# KiCad board V1.2.kicad_pcb (continued)
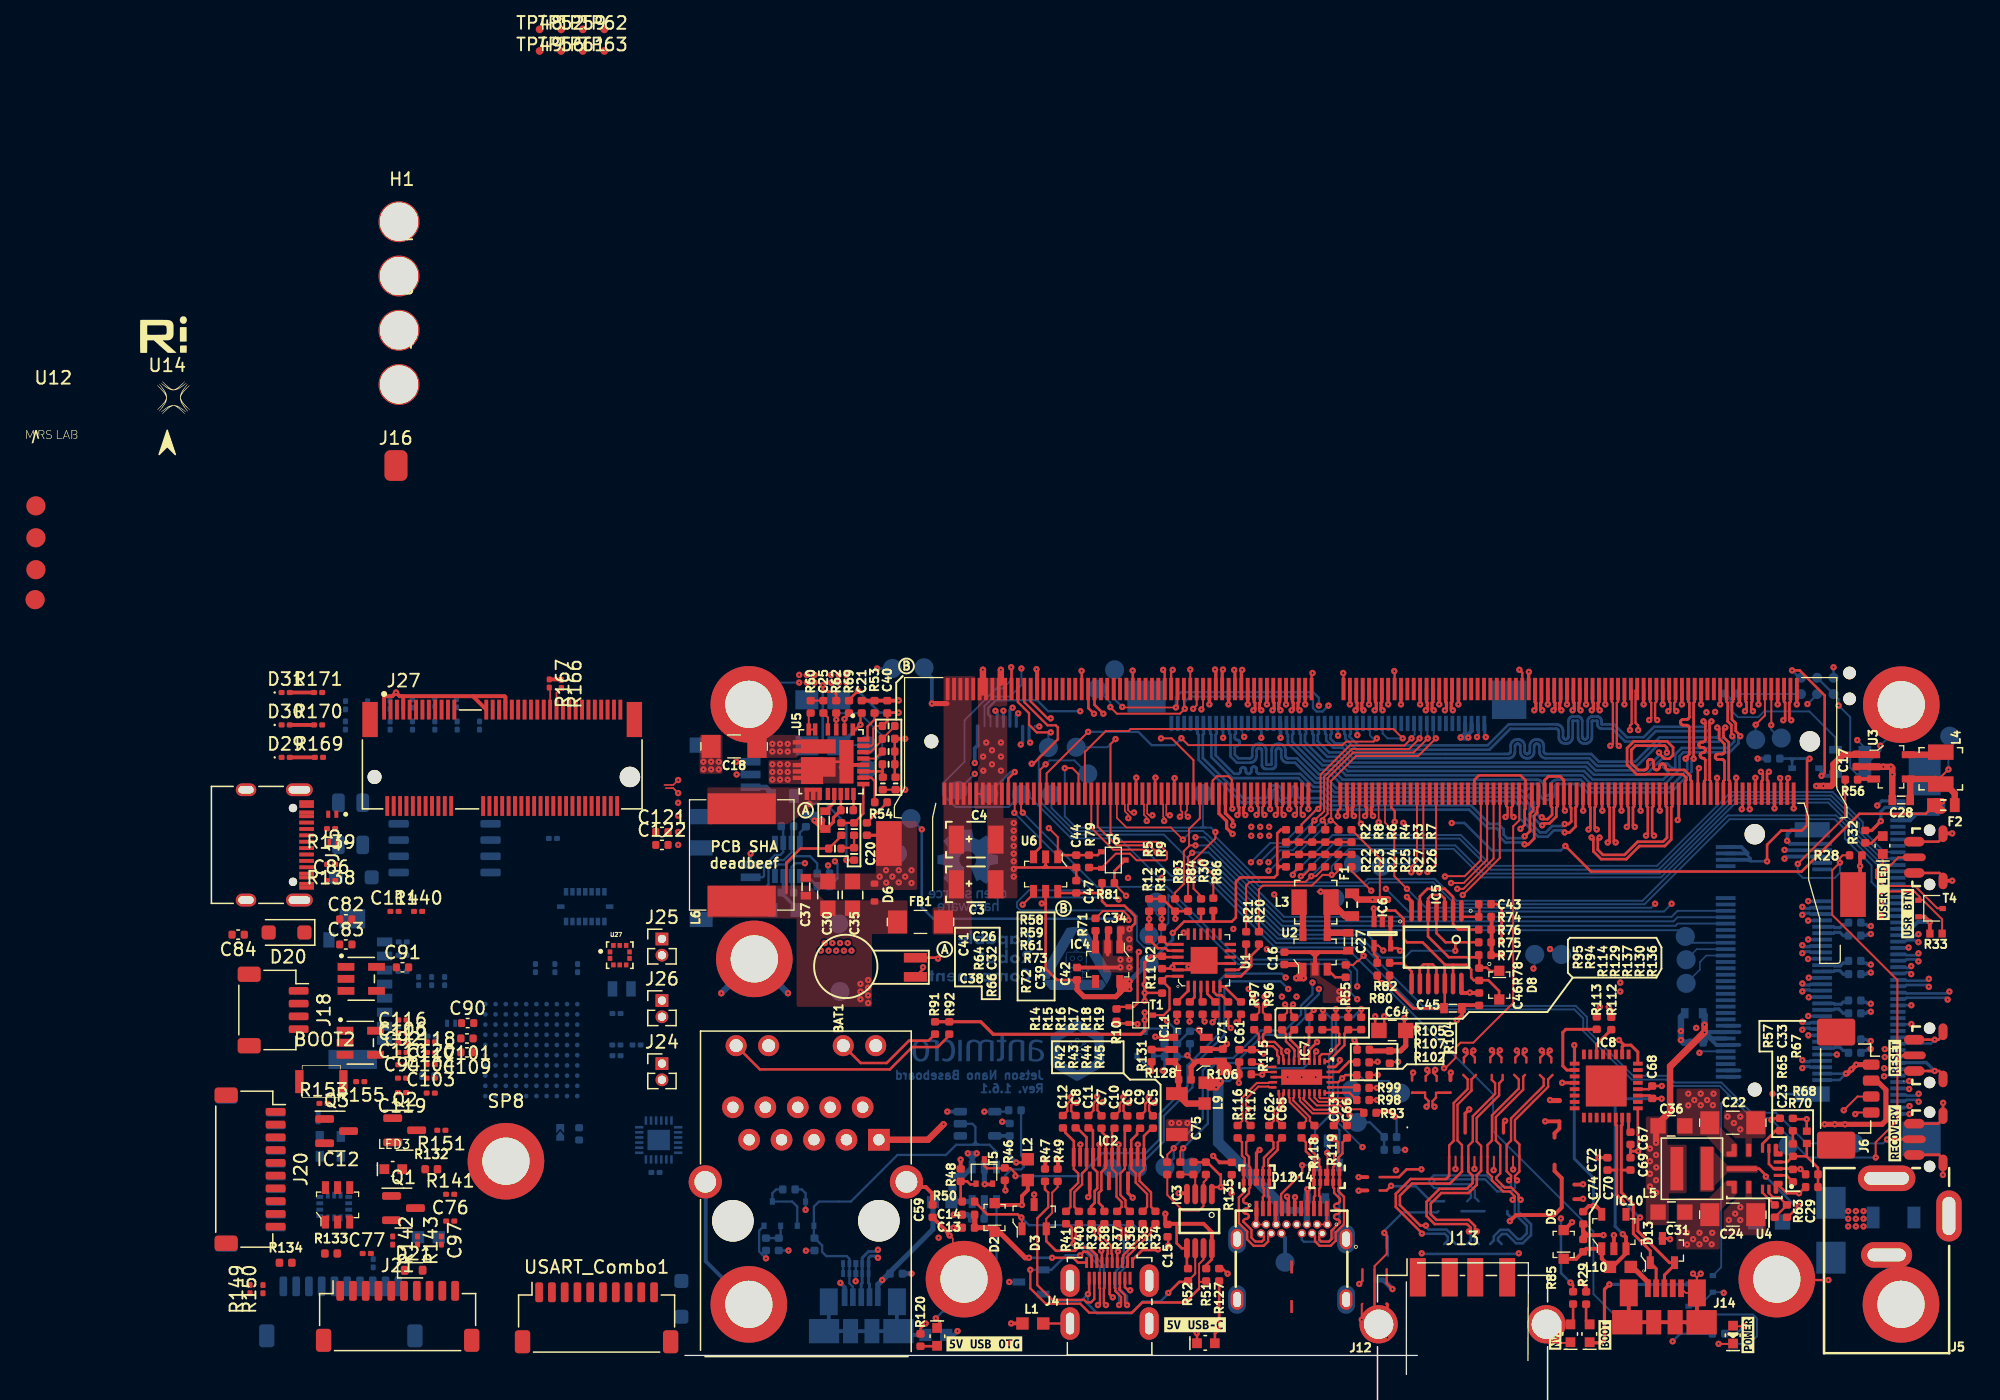
[diagram p0: board, top side]
## Routing (per net, layer and track width the routed paths; a pad name or vN(x,y) marks a point on that pad's centre or on a via; arc(x,y) is an arc through that point) (continued)
/Display/TMDS_D0_P: length 70.7
  Top w0.18: v1(32.71,21.33) 32.49,21.33 32.29,21.13 32.29,20.68 32.64,20.33
  Top w0.25: v1(68.01,52.03) 68.13,52.15 68.13,52.61 68.07,52.68 68.07,53.69
  In3_SIGNAL.Cu w0.18: v1(68.01,52.03) 68.17,51.87 68.17,50.79 65.28,47.9 34.84,47.9 31.49,44.54 31.49,35.96 30.49,34.96 30.49,28.1 30.49,28.07 30.48,28.04 30.46,28.01 30.44,27.99 30.41,27.97 30.38,27.96 30.35,27.96 30.17,27.96 30.08,27.94 29.99,27.91 29.91,27.86 29.84,27.8 29.79,27.72 29.76,27.63 29.75,27.53 29.75,27.41 29.76,27.31 29.79,27.22 29.84,27.14 29.91,27.08 29.99,27.03 30.08,27 30.17,26.99 30.35,26.99 30.38,26.98 30.41,26.97 30.44,26.95 30.46,26.93 30.48,26.9 30.49,26.88 30.49,26.84 30.49,26.8 30.49,26.77 30.48,26.74 30.46,26.71 30.44,26.69 30.41,26.67 30.38,26.66 30.35,26.66 30.17,26.66 30.08,26.64 29.99,26.61 29.91,26.56 29.84,26.5 29.79,26.42 29.76,26.33 29.75,26.23 29.75,26.11 29.76,26.01 29.79,25.92 29.84,25.84 29.91,25.78 29.99,25.73 30.08,25.7 30.17,25.69 30.35,25.69 30.38,25.68 30.41,25.67 30.44,25.65 30.46,25.63 30.48,25.6 30.49,25.58 30.49,25.54 30.49,23.12 31.81,21.8 31.81,21.54 32.05,21.3 32.49,21.3 32.52,21.33 v1(32.71,21.33)
/Display/TMDS_D1_C_N: length 9.4
  Top w0.18: R37.2 34.19,11.46 34.19,10.91 v1(34.03,10.75) ; J4.8 33.65,6.79 33.7,6.74 33.7,6.53 34.15,6.07 34.15,5.6 v1(33.99,5.44)
  Bottom w0.18: v1(33.99,5.44) 33.99,6.34 33.76,6.57 33.76,8.12 34.37,8.73 34.37,10.41 v1(34.03,10.75)
/Display/TMDS_D1_C_P: length 9.4
  Top w0.18: v1(34.67,10.76) 34.5,10.93 34.5,11.46 R36.2 ; J4.6 34.05,6.79 34,6.74 34,6.65 34.46,6.2 34.46,5.6 v1(34.62,5.44)
  Bottom w0.18: v1(34.62,5.44) 34.62,6.15 34.06,6.7 34.06,7.99 34.67,8.6 34.67,10.76 v1(34.67,10.76)
/Display/TMDS_D1_N: length 70.7
  Top w0.18: 33.69,20.28 34.04,20.63 34.04,21.21 34.32,21.49 v1(34.32,21.72)
  Top w0.25: v1(70.13,52.03) 70.01,52.15 70.01,52.61 70.07,52.68 70.07,53.69
  In3_SIGNAL.Cu w0.18: v1(70.13,52.03) 69.97,51.87 69.97,50.11 66.75,46.89 39.75,46.89 38.81,45.95 34.71,45.95 32.69,43.93 32.69,35.13 32.09,34.53 32.09,31.71 32.1,31.68 32.11,31.65 32.13,31.62 32.15,31.6 32.18,31.58 32.21,31.57 32.24,31.57 32.42,31.57 32.52,31.56 32.61,31.52 32.69,31.47 32.75,31.41 32.8,31.32 32.84,31.23 32.85,31.14 32.85,31.02 32.84,30.93 32.8,30.84 32.75,30.76 32.69,30.69 32.61,30.64 32.52,30.61 32.42,30.6 32.24,30.6 32.21,30.59 32.18,30.58 32.15,30.56 32.13,30.54 32.11,30.51 32.1,30.48 32.09,30.45 32.09,23.49 33.11,22.48 33.14,22.45 33.18,22.44 33.21,22.43 33.25,22.43 33.29,22.44 33.33,22.45 33.36,22.48 33.49,22.6 33.52,22.63 33.55,22.65 33.59,22.66 33.63,22.66 33.67,22.65 33.71,22.63 33.74,22.6 33.77,22.57 33.78,22.54 33.79,22.5 33.79,22.46 33.78,22.42 33.77,22.38 33.74,22.35 33.62,22.23 33.59,22.19 33.57,22.16 33.57,22.12 33.57,22.08 33.57,22.04 33.59,22 33.62,21.97 33.89,21.7 34.3,21.7 v1(34.32,21.72)
/Display/TMDS_D1_P: length 70.7
  Top w0.18: 34.69,20.28 34.34,20.63 34.34,21.08 34.54,21.28 v1(34.76,21.28)
  Top w0.25: v1(69.51,52.03) 69.63,52.15 69.63,52.61 69.57,52.68 M1.71
  In3_SIGNAL.Cu w0.18: v1(34.76,21.28) 34.73,21.25 33.91,21.25 31.79,23.37 31.79,30.47 31.8,30.57 31.83,30.66 31.88,30.74 31.95,30.81 32.03,30.86 32.12,30.89 32.22,30.9 32.39,30.9 32.43,30.9 32.46,30.92 32.49,30.93 32.51,30.96 32.53,30.98 32.54,31.02 32.54,31.05 32.54,31.11 32.54,31.15 32.53,31.18 32.51,31.21 32.49,31.23 32.46,31.25 32.43,31.26 32.39,31.26 32.22,31.26 32.12,31.27 32.03,31.3 31.95,31.35 31.88,31.42 31.83,31.5 31.8,31.59 31.79,31.69 31.79,34.66 32.39,35.26 32.39,44.06 34.58,46.25 38.68,46.25 39.63,47.2 66.63,47.2 69.67,50.24 69.67,51.87 v1(69.51,52.03)
/Display/TMDS_D2_C_N: length 4
  Top w0.18: J4.5 34.25,9.07 34.3,9.12 34.3,9.33 36.19,11.22 36.19,11.46 R35.2
/Display/TMDS_D2_C_P: length 4
  Top w0.18: J4.3 34.65,9.07 34.6,9.12 34.6,9.2 36.49,11.09 36.49,11.46 R34.2
/Display/TMDS_D2_N: length 70.8
  Top w0.18: v1(36.32,21.72) 36.32,21.49 36.04,21.21 36.04,20.63 35.69,20.28
  Top w0.25: v1(71.63,52.03) 71.51,52.15 71.51,52.61 71.57,52.68 71.57,53.69
  In3_SIGNAL.Cu w0.18: v1(36.32,21.72) 36.18,21.58 36.07,21.58 35.65,22 35.62,22.04 35.61,22.07 35.6,22.11 35.6,22.15 35.61,22.19 35.62,22.23 35.65,22.26 35.74,22.35 35.76,22.38 35.78,22.41 35.79,22.45 35.79,22.49 35.78,22.53 35.76,22.57 35.74,22.6 35.71,22.63 35.67,22.64 35.63,22.65 35.59,22.65 35.55,22.64 35.51,22.63 35.48,22.6 35.39,22.51 35.36,22.49 35.33,22.47 35.29,22.46 35.25,22.46 35.21,22.47 35.17,22.49 35.14,22.51 33.49,24.16 33.49,26.44 33.5,26.46 33.5,26.48 33.51,26.5 33.53,26.52 33.55,26.53 33.57,26.54 33.59,26.54 33.76,26.54 33.85,26.55 33.93,26.57 34,26.62 34.06,26.68 34.1,26.75 34.13,26.83 34.14,26.91 34.14,27.13 34.13,27.22 34.1,27.29 34.06,27.37 34,27.43 33.93,27.47 33.85,27.5 33.76,27.51 33.59,27.51 33.57,27.51 33.55,27.52 33.53,27.53 33.51,27.54 33.5,27.56 33.5,27.58 33.49,27.6 33.49,43.23 35.1,44.84 38.8,44.84 40.1,46.14 67.45,46.14 71.47,50.16 71.47,51.87 v1(71.63,52.03)
/Display/TMDS_D2_P: length 70.8
  Top w0.18: 36.69,20.28 36.34,20.63 36.34,21.08 36.54,21.28 v1(36.76,21.28)
  Top w0.25: v1(71.01,52.03) 71.13,52.15 71.13,52.61 71.07,52.68 71.07,53.69
  In3_SIGNAL.Cu w0.18: v1(36.76,21.28) 36.57,21.28 36.54,21.25 36.1,21.25 36.07,21.28 35.95,21.28 33.19,24.03 33.19,26.47 33.2,26.55 33.23,26.63 33.27,26.7 33.33,26.76 33.4,26.81 33.48,26.83 33.57,26.84 33.74,26.84 33.76,26.85 33.78,26.85 33.8,26.86 33.81,26.88 33.83,26.9 33.83,26.92 33.84,26.94 33.84,27.11 33.83,27.13 33.83,27.15 33.81,27.17 33.8,27.18 33.78,27.19 33.76,27.2 33.74,27.2 33.57,27.2 33.48,27.21 33.4,27.24 33.33,27.28 33.27,27.34 33.23,27.42 33.2,27.5 33.19,27.58 33.19,43.36 34.98,45.15 38.68,45.15 39.98,46.45 67.33,46.45 71.17,50.29 71.17,51.87 v1(71.01,52.03)
/Display/TMDS_HPD_IN: length 19.4
  Top w0.18: v1(26.34,12.3) 26.39,12.25 D3.1
  Top w0.2: J4.1 35.05,8.99 35.8,9.74 36.99,9.74 v1(37.04,9.8) ; R50.1 23.68,12.55 26.04,12.55 26.29,12.3 v1(26.34,12.3)
  Bottom w0.18: v1(37.04,9.8) 35.14,11.7 26.94,11.7 v1(26.34,12.3)
/Display/TMDS_SCL: length 46.7
  Top w0.15: M1.100 62.32,40.29 61.06,39.03 59.53,39.03 v1(59.51,39.01) ; v1(38.28,17.72) 37.77,17.21 37.77,16.63
  In3_SIGNAL.Cu w0.15: v1(49.14,30.7) 49.34,30.9 49.34,32.79 51.95,35.4 57.24,35.4 59.44,37.6 59.44,38.94 v1(59.51,39.01)
  Bottom w0.18: v1(49.14,30.7) 49.14,29.8 48.24,28.9 48.24,28.2 46.99,26.95 45.09,26.95 42.93,24.79 41.5,24.79 40.54,23.83 40.54,20.05 38.28,17.78 v1(38.28,17.72) 38.28,16.93 TP28.1
/Display/TMDS_SCL_5V0: length 26.1
  Top w0.15: IC3.7 40.61,9 40.26,8.65 40.26,7.26 ; 40.81,7.26 40.26,7.26 40.26,7.26 ; 40.26,7.26 40.26,6.72
  Top w0.18: v1(27.04,8.2) 27.04,6.75 28.25,5.54 30.95,5.54 31.65,4.84 35,4.84
  Top w0.2: J4.17 31.85,9.28 31.51,9.61 31.22,9.61 v1(30.94,9.33) ; 40.26,6.72 39.17,5.64 35.8,5.64 35,4.84
  Bottom w0.18: v1(27.04,8.2) D4.1
  Bottom w0.2: v1(30.94,9.33) 29.82,9.33 28.69,8.2 D4.1
/Display/TMDS_SDA: length 46.3
  Top w0.15: M1.98 62.82,40.33 60.98,38.5 v1(59.99,38.5) ; v1(39.01,17.72) 38.79,17.5 38.79,16.63
  In3_SIGNAL.Cu w0.15: v1(49.64,30.2) 49.69,30.25 49.69,32.65 52.04,35 57.43,35 59.94,37.51 59.94,38.45 v1(59.99,38.5)
  Bottom w0.18: v1(49.64,30.2) 49.64,29.8 48.59,28.74 48.59,27.99 47.19,26.6 45.29,26.6 43.09,24.4 41.59,24.4 40.94,23.75 40.94,19.65 v1(39.01,17.72) 39.01,16.93 TP29.1
/Display/TMDS_SDA_5V0: length 18
  Top w0.15: 39.39,7.26 39.39,7.26 ; R52.2 39.96,7.89 39.96,9.88
  Top w0.2: J4.18 31.65,6.39 v1(31.55,6.29) ; 39.39,7.25 38.71,7.25 v1(37.85,6.39)
  Bottom w0.2: D4.2 28.29,6.3 28.84,5.75 31.01,5.75 v1(31.55,6.29) 31.55,5.52 32.28,4.79 34.95,4.79 35.88,5.71 37.23,5.71 37.85,6.34 v1(37.85,6.39)
/ID Serial/EEPROM_PWR: length 12.5
  Top w0.2: v1(89,46.89) 89.25,47.14 89.25,53.19 87.29,55.15 v1(86.7,55.15)
  Bottom w0.2: v1(86.7,55.15) 87.27,54.57 TP1.1
  Bottom w0.3: D1.C 89,47.3 v1(89,46.89) 89.95,46.89 IC1.4
/ID Serial/SN_WP: length 11.9
  Bottom w0.15: R1.1 81.85,52.96 81.85,52.09 82.45,51.49 84.05,51.49 84.5,51.94 88.05,51.94 90.1,49.89 IC1.5
/Interfaces/C_PCIE0_TX0_N: length 2.2
  Bottom w0.25: J7.47 89.96,34.56 90.02,34.63 90.45,34.63 90.7,34.38 91.12,34.38
/Interfaces/C_PCIE0_TX0_P: length 2.2
  Bottom w0.25: J7.49 89.96,35.06 90.02,35 90.45,35 90.7,35.25 91.12,35.25
/Interfaces/C_PCIE0_TX1_N: length 2.2
  Bottom w0.25: 91.12,31.36 90.7,31.36 90.43,31.63 90.02,31.63 89.96,31.56 J7.35
/Interfaces/C_PCIE0_TX1_P: length 2.2
  Bottom w0.25: J7.37 89.96,32.06 90.02,32 90.47,32 90.7,32.23 91.12,32.23
/Interfaces/C_PCIE0_TX2_N: length 2.2
  Bottom w0.25: 91.12,28.29 90.7,28.29 90.36,28.63 90.02,28.63 89.96,28.56 J7.23
/Interfaces/C_PCIE0_TX2_P: length 2.2
  Bottom w0.25: 91.12,29.17 90.7,29.17 90.53,29 90.02,29 89.96,29.06 J7.25
/Interfaces/C_PCIE0_TX3_N: length 2.2
  Bottom w0.25: 91.12,25.37 90.7,25.37 90.44,25.63 90.02,25.63 89.96,25.56 J7.11
/Interfaces/C_PCIE0_TX3_P: length 2.2
  Bottom w0.25: 91.12,26.25 90.7,26.25 90.45,26 90.02,26 89.96,26.06 J7.13
/Interfaces/CANH: length 7.3
  Bottom w0.18: R90.2 8.34,42.78 U7.7 8.34,40.9 7.74,40.3 7.12,40.3 6.54,39.72 6.54,38.4 6.09,37.95 J8.2
/Interfaces/CANL: length 5.9
  Bottom w0.18: R90.1 7.69,42.78 U7.6 7.69,40.92 7.47,40.7 7.04,40.7 6.19,39.85 6.19,39.05 6.09,38.95 J8.3
/SoM/PMIC_BBAT: length 29.8
  Top w0.18: v1(27.15,47.84) 27.28,47.84 29.19,49.75 29.19,50.7 29.04,50.85 28.39,50.85 26.57,52.67 M1.235
  Top w0.2: v1(19.81,32.58) 19.74,32.65 BAT1.+
  In3_SIGNAL.Cu w0.2: v1(19.81,32.58) 22.22,32.58 23.44,33.8 23.44,42.8 27.15,46.5 v1(27.15,47.84)
/Supply/\~{PWR_SET}: length 2.9
  Top w0.2: IC5.1 60.8,35.85 62.2,35.85 62.2,36.85
/Supply/FAN_PMW_5V: length 81.4
  Top w0.15: v1(91.64,20.4) 91.77,20.52 J6.4 ; v1(26.44,36.8) 27.29,37.65 U6.4
  In3_SIGNAL.Cu w0.15: v1(73.24,30) 73.84,29.4 79.74,29.4 88.99,20.15 91.39,20.15 v1(91.64,20.4)
  In5_3V3_SYS_SIGNAL.Cu w0.125: v1(73.24,30) 68.74,34.5 52.14,34.5 51.59,35.05 51.59,39.55 50.24,40.9 43.94,40.9 39.89,36.85 34.31,36.85 v1(33.96,37.2)
  Bottom w0.15: v1(33.96,37.2) 33.78,37.37 27.02,37.37 v1(26.44,36.8)
/Supply/FAN_TACH_5V: length 75
  Top w0.15: J6.3 91.82,21.77 v1(90.74,20.7) ; v1(34.54,37.5) 33.63,38.41 R81.1
  Top w0.2: R81.1 33.63,39.43 T6.3
  In3_SIGNAL.Cu w0.15: v1(90.74,20.7) 88.94,20.7 79.94,29.7 74.24,29.7 v1(73.24,30.7)
  In5_3V3_SYS_SIGNAL.Cu w0.125: v1(34.54,37.5) 40,37.5 43.69,41.2 50.34,41.2 51.89,39.65 51.89,35.2 52.29,34.8 68.84,34.8 72.94,30.7 v1(73.24,30.7)
/Supply/Q: length 12.9
  Top w0.2: IC5.3 59.5,37.26 59.2,37.56 58.47,37.56 58.19,37.28 58.19,36.33 IC5.5 58.19,36.31 58.19,34.31 59.81,32.68 62.03,32.68 62.2,32.86 62.2,31.86 62.23,31.84 62.26,31.87 62.79,31.87 63.05,31.6 63.75,31.6
/Supply/QDEL: length 24.9
  Top w0.2: 59.5,32.11 57.76,33.85 56.54,33.85 56.28,34.1 56.28,35.68 55.62,36.34 54.76,36.34 54.61,36.19 IC6.2 ; 59.5,32.11 IC5.12 59.5,28.94 59.23,28.67 57.02,28.67 55.14,30.55 55.14,31.16 55.16,31.18 ; 59.5,32.11 59.51,32.09 60.15,32.09 ; IC5.13 60.15,32.09 ; 60.15,32.09 61.19,32.09 61.57,31.72 61.57,31.08 61.77,30.88 62.91,30.88 63.75,30.04 63.75,29.49
/Supply/VDRV_5V_DCDC: length 1.6
  Top w0.25: 10.99,44.12 11.69,44.82 11.69,45.47
/USB/C_CC1: length 21.8
  Top w0.18: v1(51.97,28.62) 51.97,28 51.94,27.97 ; v1(49.96,28.54) 49.96,28.02 49.91,27.97 ; J12.A5 46.68,13.07 46.68,14.13 48.33,15.78 v1(48.33,16.38)
  In2.Cu w0.18: v1(51.97,28.62) 51.34,27.99 50.51,27.99 v1(49.96,28.54)
  Bottom w0.18: v1(48.33,16.38) 48.34,16.4 D11.2 49.34,19.15 50.44,20.24 50.44,25.01 50.66,25.23 50.66,27.84 v1(49.96,28.54)
/USB/C_CC2: length 25.5
  Top w0.2: v1(50.98,28.62) 50.98,28.02 50.92,27.97 ; 52.96,27.98 v1(52.96,28.62)
  Bottom w0.18: 51.02,19.37 51.24,19.15 D11.1 51.24,11.85 50.79,11.4 50.79,10.75 50.44,10.4 48.47,10.4 48.3,10.56 J12.B5
  Bottom w0.2: 51.24,27.99 52.33,27.99 v1(52.96,28.62) ; 51.24,27.99 51.1,27.99 50.98,27.86 ; 51.24,27.99 51.11,27.99 50.98,28.13 ; 50.98,28.13 v1(50.98,28.62) ; 50.98,28.13 50.98,27.86 ; 50.98,27.86 50.98,25.1 50.76,24.88 50.76,19.63 51.02,19.37
/USB/C_USBSS_RX1_N: length 11.4
  Top w0.182: J12.B10 45.67,10.82 45.67,10.43 45.32,10.08 44.52,10.08 44.03,10.58 44.03,11.19 43.38,11.84 43.38,13.86 43.84,14.32 43.84,14.56 43.75,14.65 43.75,16.24 43.84,16.33 43.84,16.92 43.62,17.13 43.62,18.19 R116.2
/USB/C_USBSS_RX1_P: length 11.4
  Top w0.182: J12.B11 45.34,10.82 45.34,10.57 45.18,10.41 44.66,10.41 44.36,10.72 44.36,11.33 43.71,11.98 arc(43.77,12.12) 43.91,12.18 43.95,12.18 arc(44.1,12.24) 44.16,12.39 arc(44.1,12.53) 43.95,12.59 43.91,12.59 arc(43.77,12.65) 43.71,12.79 arc(43.77,12.94) 43.91,13 43.95,13 arc(44.1,13.06) 44.16,13.2 arc(44.1,13.34) 43.95,13.4 43.91,13.4 arc(43.77,13.46) 43.71,13.61 43.71,13.73 44.17,14.19 44.17,14.56 44.25,14.65 44.25,16.24 44.17,16.33 44.17,17.05 43.95,17.27 43.95,18.19 R117.2
/USB/C_USBSS_RX2_N: length 6.1
  Top w0.182: R118.2 48.62,18.19 48.62,17.48 49.34,16.77 49.34,16.33 49.25,16.24 49.25,14.65 49.34,14.56 49.34,13.99 49.25,13.9 J12.A10
/USB/C_USBSS_RX2_P: length 6.1
  Top w0.182: R119.2 48.95,18.19 48.95,17.62 49.67,16.9 49.67,16.33 49.75,16.24 49.75,14.65 49.67,14.56 49.67,13.99 49.75,13.9 J12.A11
/USB/C_USBSS_RX6_N: length 3.7
  Top w0.182: R97.2 44.94,26.64 44.94,26.11 45.34,25.72 46.04,25.72 46.37,25.38 46.37,24.99 46.51,24.85 46.51,24.54 IC7.10
/USB/C_USBSS_RX6_P: length 3.8
  Top w0.182: R96.2 45.27,26.64 45.27,26.25 45.47,26.05 46.17,26.05 46.7,25.52 46.7,25.13 46.84,24.99 46.84,24.54 IC7.9
/USB/C_USBSS_TX1_N: length 6.1
  Top w0.182: C65.1 46.42,18.19 46.42,17.59 45.67,16.84 45.67,16.33 45.75,16.24 45.75,14.65 45.67,14.56 45.67,13.99 45.75,13.9 J12.A3
/USB/C_USBSS_TX1_P: length 6.1
  Top w0.182: C62.1 46.08,18.19 46.08,17.72 45.34,16.97 45.34,16.33 45.25,16.24 45.25,14.65 45.34,14.56 45.34,13.99 45.25,13.9 J12.A2
/USB/C_USBSS_TX2_N: length 11.5
  Top w0.182: J12.B3 49.34,10.82 49.34,10.43 49.69,10.08 50.56,10.08 50.96,10.48 50.96,11.13 51.61,11.78 51.61,13.91 51.17,14.35 51.17,14.56 51.25,14.65 51.25,16.24 51.17,16.33 51.17,16.99 51.49,17.31 51.49,18.18 C66.1
/USB/C_USBSS_TX2_P: length 11.5
  Top w0.182: J12.B2 49.67,10.82 49.67,10.57 49.82,10.41 50.42,10.41 50.63,10.61 50.63,11.27 51.28,11.92 51.28,11.95 arc(51.22,12.1) 51.07,12.16 51.03,12.16 arc(50.89,12.22) 50.83,12.36 arc(50.89,12.5) 51.03,12.56 51.07,12.56 arc(51.22,12.62) 51.28,12.77 arc(51.22,12.91) 51.07,12.97 51.03,12.97 arc(50.89,13.03) 50.83,13.17 arc(50.89,13.32) 51.03,13.38 51.07,13.38 arc(51.22,13.44) 51.28,13.58 51.28,13.78 50.84,14.22 50.84,14.56 50.75,14.65 50.75,16.24 50.84,16.33 50.84,17.12 51.16,17.45 51.16,18.18 C63.1
/USB/C_USBSS_TX6_N: length 2.9
  Top w0.182: R95.2 47.06,26.69 47.06,26.09 47.73,25.43 47.73,25.34 47.73,25.33 47.73,24.9 47.69,24.87 IC7.7
/USB/C_USBSS_TX6_P: length 2.9
  Top w0.182: IC7.6 48.09,24.87 48.06,24.9 48.06,25.56 47.39,26.23 47.39,26.69 R94.2
/USB/CC1: length 5.1
  Top w0.15: IC7.2 49.69,24.92 ; 49.91,27.01 50.92,27.01
  Top w0.18: R137.2 51.24,26.69 51.24,25.89 50.44,25.1 49.88,25.1 49.69,24.91 IC7.2
/USB/CC2: length 4.4
  Top w0.15: 52.96,27.02 52.95,27.01 51.94,27.01
  Top w0.18: IC7.1 50.37,24.52 51.64,25.8 51.64,26.71 R130.1
/USB/DBG_USB_D_N: length 15.3
  Top w0.23: 73.32,16.02 73.32,14.27 74.26,13.32 74.26,11.02 75.59,9.69 D13.1 76.05,8.3 J14.2 ; 73.32,16.02 73.32,19.49 73.39,19.56 73.39,20.12 ; 73.32,16.02 73.33,16.01 C69.2
/USB/DBG_USB_D_P: length 16.8
  Top w0.23: 72.96,16.07 72.96,19.49 72.89,19.56 72.89,20.12 ; 72.96,16.07 72.9,16.01 C70.2 ; 72.96,16.07 72.96,14.07 72.98,14.07 73.4,13.65 v1(73.4,13.46) ; 74.74,12.3 74.62,12.17 74.62,11.23 77.09,8.76 D13.2 77.49,8.58 76.7,7.79 J14.3
  Bottom w0.23: 74.74,12.3 73.58,13.46 v1(73.4,13.46)
  vias: v1(74.79,12.3)
/USB/EN_MUX: length 12
  Top w0.15: 54.19,23.49 54.17,23.47 53.57,23.47 ; IC7.12 45.4,23.69 v1(45.2,23.49) 44.47,23.49
  In2.Cu w0.15: v1(54.25,23.47) 53.82,23.9 50.64,23.9 50.34,24.2 45.91,24.2 v1(45.2,23.49)
/USB/OTG_USB_ID: length 30.3
  Bottom w0.18: 22.74,18.2 22.74,19.4 22.5,19.64 U8.2 ; 22.74,18.2 22.94,18 ; 22.74,18.2 22.54,18 ; 22.74,18.2 22.74,18 ; 22.94,18 23.84,18 24.39,17.45 IC9.3 ; 22.94,18 22.74,18 ; 22.54,18 21.24,18 20.44,17.2 16.64,17.2 12.99,13.55 10.49,13.55 10.09,13.15 T7.1 10.09,10.73 R108.1 ; 22.54,18 22.74,18 ; R108.1 10.16,10.68 10.74,10.1 10.74,9.6 11.07,9.27 12.67,9.27 12.88,9.06 D10.4 12.88,7.14 13.15,6.86 J11.4 ; R108.1 10.13,10.68
/USB/OTG_USB_VBUS: length 27.6
  In5_3V3_SYS_SIGNAL.Cu w0.18: v1(8.1,9.71) 8.73,9.71 11.84,6.6 14.64,6.6 v1(15.44,7.4)
  Bottom w0.18: v1(8.1,9.71) R110.1
  Bottom w0.3: 19.42,11.37 v1(15.44,7.4) 15.56,7.4 C73.2 15.1,6.94 J11.1
  Bottom w0.4: J11.1 15.1,7.05 19.42,11.37 L7.2
/USB/USB_DBG_VBUS: length 2.3
  Top w0.4: L10.1 74.21,8.42 75.4,7.23 J14.1
/USB/USBC_ADDR: length 8.6
  Top w0.15: v1(52.04,20.32) 51.29,21.08 49.48,21.08 48.89,21.66 IC7.22
  Bottom w0.18: TP44.1 53.64,19.75 54.76,18.63 54.76,17.6
  Bottom w0.2: v1(52.04,20.32) 52.07,20.32 TP44.1
/USB/USBC_FAULT: length 3.6
  Top w0.15: v1(51.89,21.5) 51.76,21.64 49.75,21.64 49.69,21.69 IC7.24
  Bottom w0.18: v1(51.89,21.5) 51.89,21.9 52.19,22.2 TP46.1
/USB/USBC_ID: length 43.5
  Top w0.18: 52.61,23.45 51.7,23.45 v1(51.46,23.2) 51.14,22.89 IC7.27
  In5_3V3_SYS_SIGNAL.Cu w0.18: v1(53.06,17.81) 52.75,18.11 48.64,18.11 43.91,13.39 40.97,13.39 39.9,14.45 39.9,21.31 v1(37.41,23.8)
  Bottom w0.15: TP45.1 55.09,23 53.24,23 52.74,23.5 51.75,23.5 v1(51.46,23.2) 51.13,22.87 51.13,19.74 v1(53.06,17.81)
  Bottom w0.18: R123.1 37.54,25.4 ; 37.54,25.4 37.54,24.98 ; 37.54,25.4 37.54,23.93 v1(37.41,23.8)
  Bottom w0.2: T9.1 37.51,24.95 37.54,24.98
/USB/USBC_INTN: length 4.7
  Top w0.15: 53.16,20.57 52.96,20.77 51.98,20.77 51.4,21.36 49.63,21.36 49.29,21.69 IC7.23
/USB/USBC_SCL: length 2.1
  Top w0.18: IC7.26 52.56,22.49 52.61,22.45
/USB/USBC_SDA: length 2.7
  Top w0.18: IC7.25 52.04,22.06 52.61,21.5
/USB/USBC_VBUS: length 60.2
  Top w0.15: 42.82,15.65 42.82,14.19 v1(42.81,14.17)
  Top w0.18: J12.A4 46.25,11.8 J12.B9 ; v1(49.24,28.55) 48.89,28.2 R114.2
  Top w0.3: 48.87,27.99 48.89,27.97 ; J12.A9 48.74,13.01 v1(48.74,14.51)
  Top w0.5: L9.2 40.74,22.9 41.76,22.9 41.83,22.83 ; L9.2 40.82,22.98 v1(41.93,22.98) 41.93,22.89 41.57,22.53 ; L9.2 41.05,22.5 v1(41.59,22.5)
  In3_SIGNAL.Cu w0.15: v1(42.81,14.17) 42.81,13.13 43.44,12.5 45.96,12.5 46.3,12.16 J12.B9
  Bottom w0.18: v1(49.24,28.55) 48.89,28.2 48.89,24.45 48.44,24 43.64,24 42.63,22.98 v1(41.93,22.98)
  Bottom w0.5: J12.B4 48.7,12.86 ; 48.7,12.86 48.7,13.75 C78.2 48.74,14.5 v1(48.74,14.51) ; 48.7,12.86 47.65,12.86 ; J12.B9 46.3,12.86 ; 46.3,12.86 46.3,12.96 ; 46.3,12.86 47.65,12.86 ; 46.3,12.96 46.95,12.96 ; 46.3,12.96 46.3,13.4 ; 41.59,18.6 41.59,18.11 42.05,17.65 ; 41.59,18.6 41.59,22.59 41.91,22.9 ; 41.59,18.6 47.09,13.1 ; 47.09,13.1 46.95,12.96 ; 47.09,13.1 47.33,12.86 47.65,12.86 ; 46.95,12.96 46.75,12.96 46.3,13.4 ; v1(41.93,22.98) 41.93,17.78 42.05,17.65 ; 46.3,13.4 42.05,17.65
/USB/USBSS_RX1_N: length 5.3
  Top w0.16: R116.1 43.64,19.86 43.64,21.7 44.78,22.83 45.7,22.83 45.76,22.89 IC7.14
/USB/USBSS_RX1_P: length 5.3
  Top w0.16: R117.1 43.93,19.86 43.93,20.53 arc(43.97,20.63) 44.07,20.67 44.14,20.67 arc(44.24,20.72) 44.29,20.82 arc(44.24,20.92) 44.14,20.96 44.07,20.96 arc(43.97,21) 43.93,21.1 43.93,21.58 44.89,22.55 45.7,22.55 45.76,22.49 IC7.15
/USB/USBSS_RX2_N: length 3.3
  Top w0.16: IC7.18 47.29,21.71 47.35,21.66 47.35,21.33 48.64,20.04 48.64,19.86 R118.1
/USB/USBSS_RX2_P: length 3.3
  Top w0.16: IC7.19 47.69,21.71 47.64,21.66 47.64,21.45 48.93,20.16 48.93,19.86 R119.1
/USB/USBSS_TX1_N: length 2.9
  Top w0.16: C65.2 46.39,19.86 46.39,20.5 46.82,20.93 46.82,22.02 IC7.17
/USB/USBSS_TX1_P: length 2.9
  Top w0.16: IC7.16 46.54,22.02 46.54,21.04 46.11,20.61 46.11,19.86 C62.2
/USB/USBSS_TX2_N: length 5
  Top w0.16: IC7.21 48.49,21.71 48.44,21.66 48.44,21.55 49.25,20.74 51,20.74 51.47,20.27 51.47,19.88 C66.2
/USB/USBSS_TX2_P: length 5
  Top w0.16: C63.2 51.18,19.88 51.18,20.15 50.88,20.45 49.13,20.45 48.15,21.43 48.15,21.66 48.09,21.71 IC7.20
/USB/~{OTG_USB_FAULT}: length 13.6
  Top w0.2: 19.94,3.88 19.94,4.1 v1(19.64,4.4)
  Bottom w0.18: v1(19.64,4.4) 20.19,4.95 23.39,4.95 24.39,5.95 IC9.4
/Wifi Module/WAKE: length 1.8
  Top w0.125: R166.2 -10.06,53.39 J27.55
\PEWAKE_3V3: length 56.2
  Top w0.15: 40.57,53.69 40.57,52.22 v1(40.44,52.1)
  In2.Cu w0.15: v1(39.98,42.08) 39.98,42.46 40.14,42.62 40.14,51.8 v1(40.44,52.1)
  Bottom w0.15: v1(39.98,42.08) 40.68,42.08 46.92,35.85 77.25,35.85 77.72,36.31 J7.54
CAN_RXD: length 54.7
  Top w0.18: v1(51.54,54.95) 51.57,54.92 M1.143
  In2.Cu w0.15: v1(11.21,39.87) 11.29,39.96 11.29,41.35 15.14,45.2 15.14,53.2 16.54,54.6 48.04,54.6 48.94,55.5 51.34,55.5 51.54,55.3 v1(51.54,54.95)
  Bottom w0.18: R88.2 11.21,39.37 v1(11.21,39.87)
CAN_TXD: length 52.4
  Top w0.18: v1(49.14,54.95) 49.07,54.87 M1.145
  In2.Cu w0.15: v1(11.74,40.2) 11.64,40.3 11.64,41.1 15.54,45 15.54,53 16.84,54.3 48.24,54.3 48.89,54.95 v1(49.14,54.95)
  Bottom w0.18: v1(11.74,40.2) 11.94,40 11.94,38.86 R87.2
EGND: length 13.7
  Top w0.3: C59.1 19.34,13.33 19.34,14.2 18.86,14.68 17.38,14.68
  Bottom w0.3: SP2.1 1.62,8.87 1.62,14.68
ENET_LED0: length 51.5
  Top w0.2: M1.194 36.82,46.72 v1(36.84,46.75)
  In5_3V3_SYS_SIGNAL.Cu w0.2: J10.13 8.19,27.4 15.44,27.4 16.59,26.25 23.04,26.25 24.69,27.9 24.69,44.75 25.54,45.6 36.49,45.6 36.82,45.92 36.82,46.72 v1(36.84,46.75)
ENET_LED1: length 43.2
  Top w0.2: v1(38.34,46.72) 38.32,46.69 M1.188
  In5_3V3_SYS_SIGNAL.Cu w0.2: v1(38.34,46.72) 36.77,45.15 25.79,45.15 25.14,44.5 25.14,27.7 23.2,25.76 J10.11
ENET_TRD0_N: length 53.4
  Top w0.125: M1.184 39.32,44.18 39.19,44.05 39.19,43.88 v1(39.38,43.69)
  In5_3V3_SYS_SIGNAL.Cu w0.125: v1(39.38,43.69) 39.14,43.45 39.14,42.94 37.87,41.67 31.49,41.67 31.07,41.24 31.07,34.67 31.07,34.63 31.08,34.6 31.1,34.56 31.13,34.53 31.17,34.51 31.2,34.5 31.24,34.5 31.4,34.5 31.49,34.49 31.57,34.46 31.65,34.41 31.71,34.35 31.76,34.27 31.79,34.18 31.8,34.1 31.8,34.05 31.79,33.96 31.76,33.87 31.71,33.8 31.65,33.73 31.57,33.69 31.49,33.66 31.4,33.65 30.51,33.65 30.47,33.64 30.44,33.63 30.4,33.61 30.37,33.58 30.35,33.55 30.34,33.51 30.34,33.47 30.34,33.43 30.35,33.4 30.37,33.36 30.4,33.33 30.44,33.31 30.47,33.3 30.51,33.3 31.4,33.3 31.49,33.29 31.57,33.26 31.65,33.21 31.71,33.15 31.76,33.07 31.79,32.98 31.8,32.9 31.8,32.85 31.79,32.76 31.76,32.67 31.71,32.6 31.65,32.53 31.57,32.49 31.49,32.46 31.4,32.45 30.51,32.45 30.47,32.44 30.44,32.43 30.4,32.41 30.37,32.38 30.35,32.35 30.34,32.31 30.34,32.27 30.34,32.23 30.35,32.2 30.37,32.16 30.4,32.13 30.44,32.11 30.47,32.1 30.51,32.1 31.4,32.1 31.49,32.09 31.57,32.06 31.65,32.01 31.71,31.95 31.76,31.87 31.79,31.78 31.8,31.7 31.8,31.65 31.79,31.56 31.76,31.47 31.71,31.4 31.65,31.33 31.57,31.29 31.49,31.26 31.4,31.25 31.24,31.25 31.2,31.24 31.17,31.23 31.13,31.21 31.1,31.18 31.08,31.15 31.07,31.11 31.07,31.07 31.07,27.34 30.57,26.84 25.32,21.6 16.14,21.6 12.93,18.39 J10.3
ENET_TRD0_P: length 53.4
  Top w0.125: M1.186 38.82,44.18 38.94,44.05 38.94,43.88 v1(38.76,43.69)
  In5_3V3_SYS_SIGNAL.Cu w0.125: v1(38.76,43.69) 38.89,43.55 38.89,43.05 37.77,41.92 31.39,41.92 30.82,41.35 30.82,34.65 30.83,34.56 30.86,34.47 30.9,34.4 30.97,34.33 31.04,34.29 31.13,34.26 31.22,34.25 31.37,34.25 31.41,34.24 31.45,34.23 31.48,34.21 31.51,34.18 31.53,34.15 31.54,34.11 31.55,34.07 31.54,34.03 31.53,34 31.51,33.96 31.48,33.93 31.45,33.91 31.41,33.9 31.37,33.9 30.49,33.9 30.4,33.89 30.31,33.86 30.24,33.81 30.17,33.75 30.13,33.67 30.1,33.58 30.09,33.5 30.09,33.45 30.1,33.36 30.13,33.27 30.17,33.2 30.24,33.13 30.31,33.09 30.4,33.06 30.49,33.05 31.37,33.05 31.41,33.04 31.45,33.03 31.48,33.01 31.51,32.98 31.53,32.95 31.54,32.91 31.55,32.87 31.54,32.83 31.53,32.8 31.51,32.76 31.48,32.73 31.45,32.71 31.41,32.7 31.37,32.7 30.49,32.7 30.4,32.69 30.31,32.66 30.24,32.61 30.17,32.55 30.13,32.47 30.1,32.38 30.09,32.3 30.09,32.25 30.1,32.16 30.13,32.07 30.17,32 30.24,31.93 30.31,31.89 30.4,31.86 30.49,31.85 31.37,31.85 31.41,31.84 31.45,31.83 31.48,31.81 31.51,31.78 31.53,31.75 31.54,31.71 31.55,31.67 31.54,31.63 31.53,31.6 31.51,31.56 31.48,31.53 31.45,31.51 31.41,31.5 31.37,31.5 31.22,31.5 31.13,31.49 31.04,31.46 30.97,31.41 30.9,31.35 30.86,31.27 30.83,31.18 30.82,31.1 30.82,27.45 30.32,26.95 26.71,23.35 26.69,23.33 26.67,23.32 26.64,23.31 26.61,23.31 26.58,23.32 26.56,23.33 26.54,23.35 26.32,23.56 26.3,23.58 26.27,23.59 26.25,23.6 26.22,23.6 26.19,23.59 26.17,23.58 26.15,23.56 26.13,23.54 26.12,23.51 26.11,23.49 26.11,23.46 26.12,23.43 26.13,23.41 26.15,23.38 26.36,23.17 26.38,23.15 26.39,23.12 26.4,23.09 26.4,23.07 26.39,23.04 26.38,23.01 26.36,22.99 26.34,22.97 26.31,22.96 26.29,22.96 26.26,22.96 26.23,22.96 26.21,22.97 26.18,22.99 25.97,23.21 25.95,23.22 25.92,23.24 25.89,23.24 25.87,23.24 25.84,23.24 25.81,23.22 25.79,23.21 25.77,23.18 25.76,23.16 25.76,23.13 25.76,23.1 25.76,23.08 25.77,23.05 25.79,23.03 26.01,22.81 26.02,22.79 26.04,22.77 26.04,22.74 26.04,22.71 26.04,22.69 26.02,22.66 26.01,22.64 25.98,22.62 25.96,22.61 25.93,22.6 25.9,22.6 25.88,22.61 25.85,22.62 25.83,22.64 25.61,22.85 25.59,22.87 25.57,22.88 25.54,22.89 25.51,22.89 25.49,22.88 25.46,22.87 25.44,22.85 25.42,22.83 25.41,22.81 25.4,22.78 25.4,22.75 25.41,22.72 25.42,22.7 25.44,22.68 25.65,22.46 25.67,22.44 25.68,22.41 25.69,22.39 25.69,22.36 25.68,22.33 25.67,22.31 25.65,22.28 25.21,21.85 14.83,21.85 J10.2
